# KiCad board LightBlue.kicad_pcb (continued)
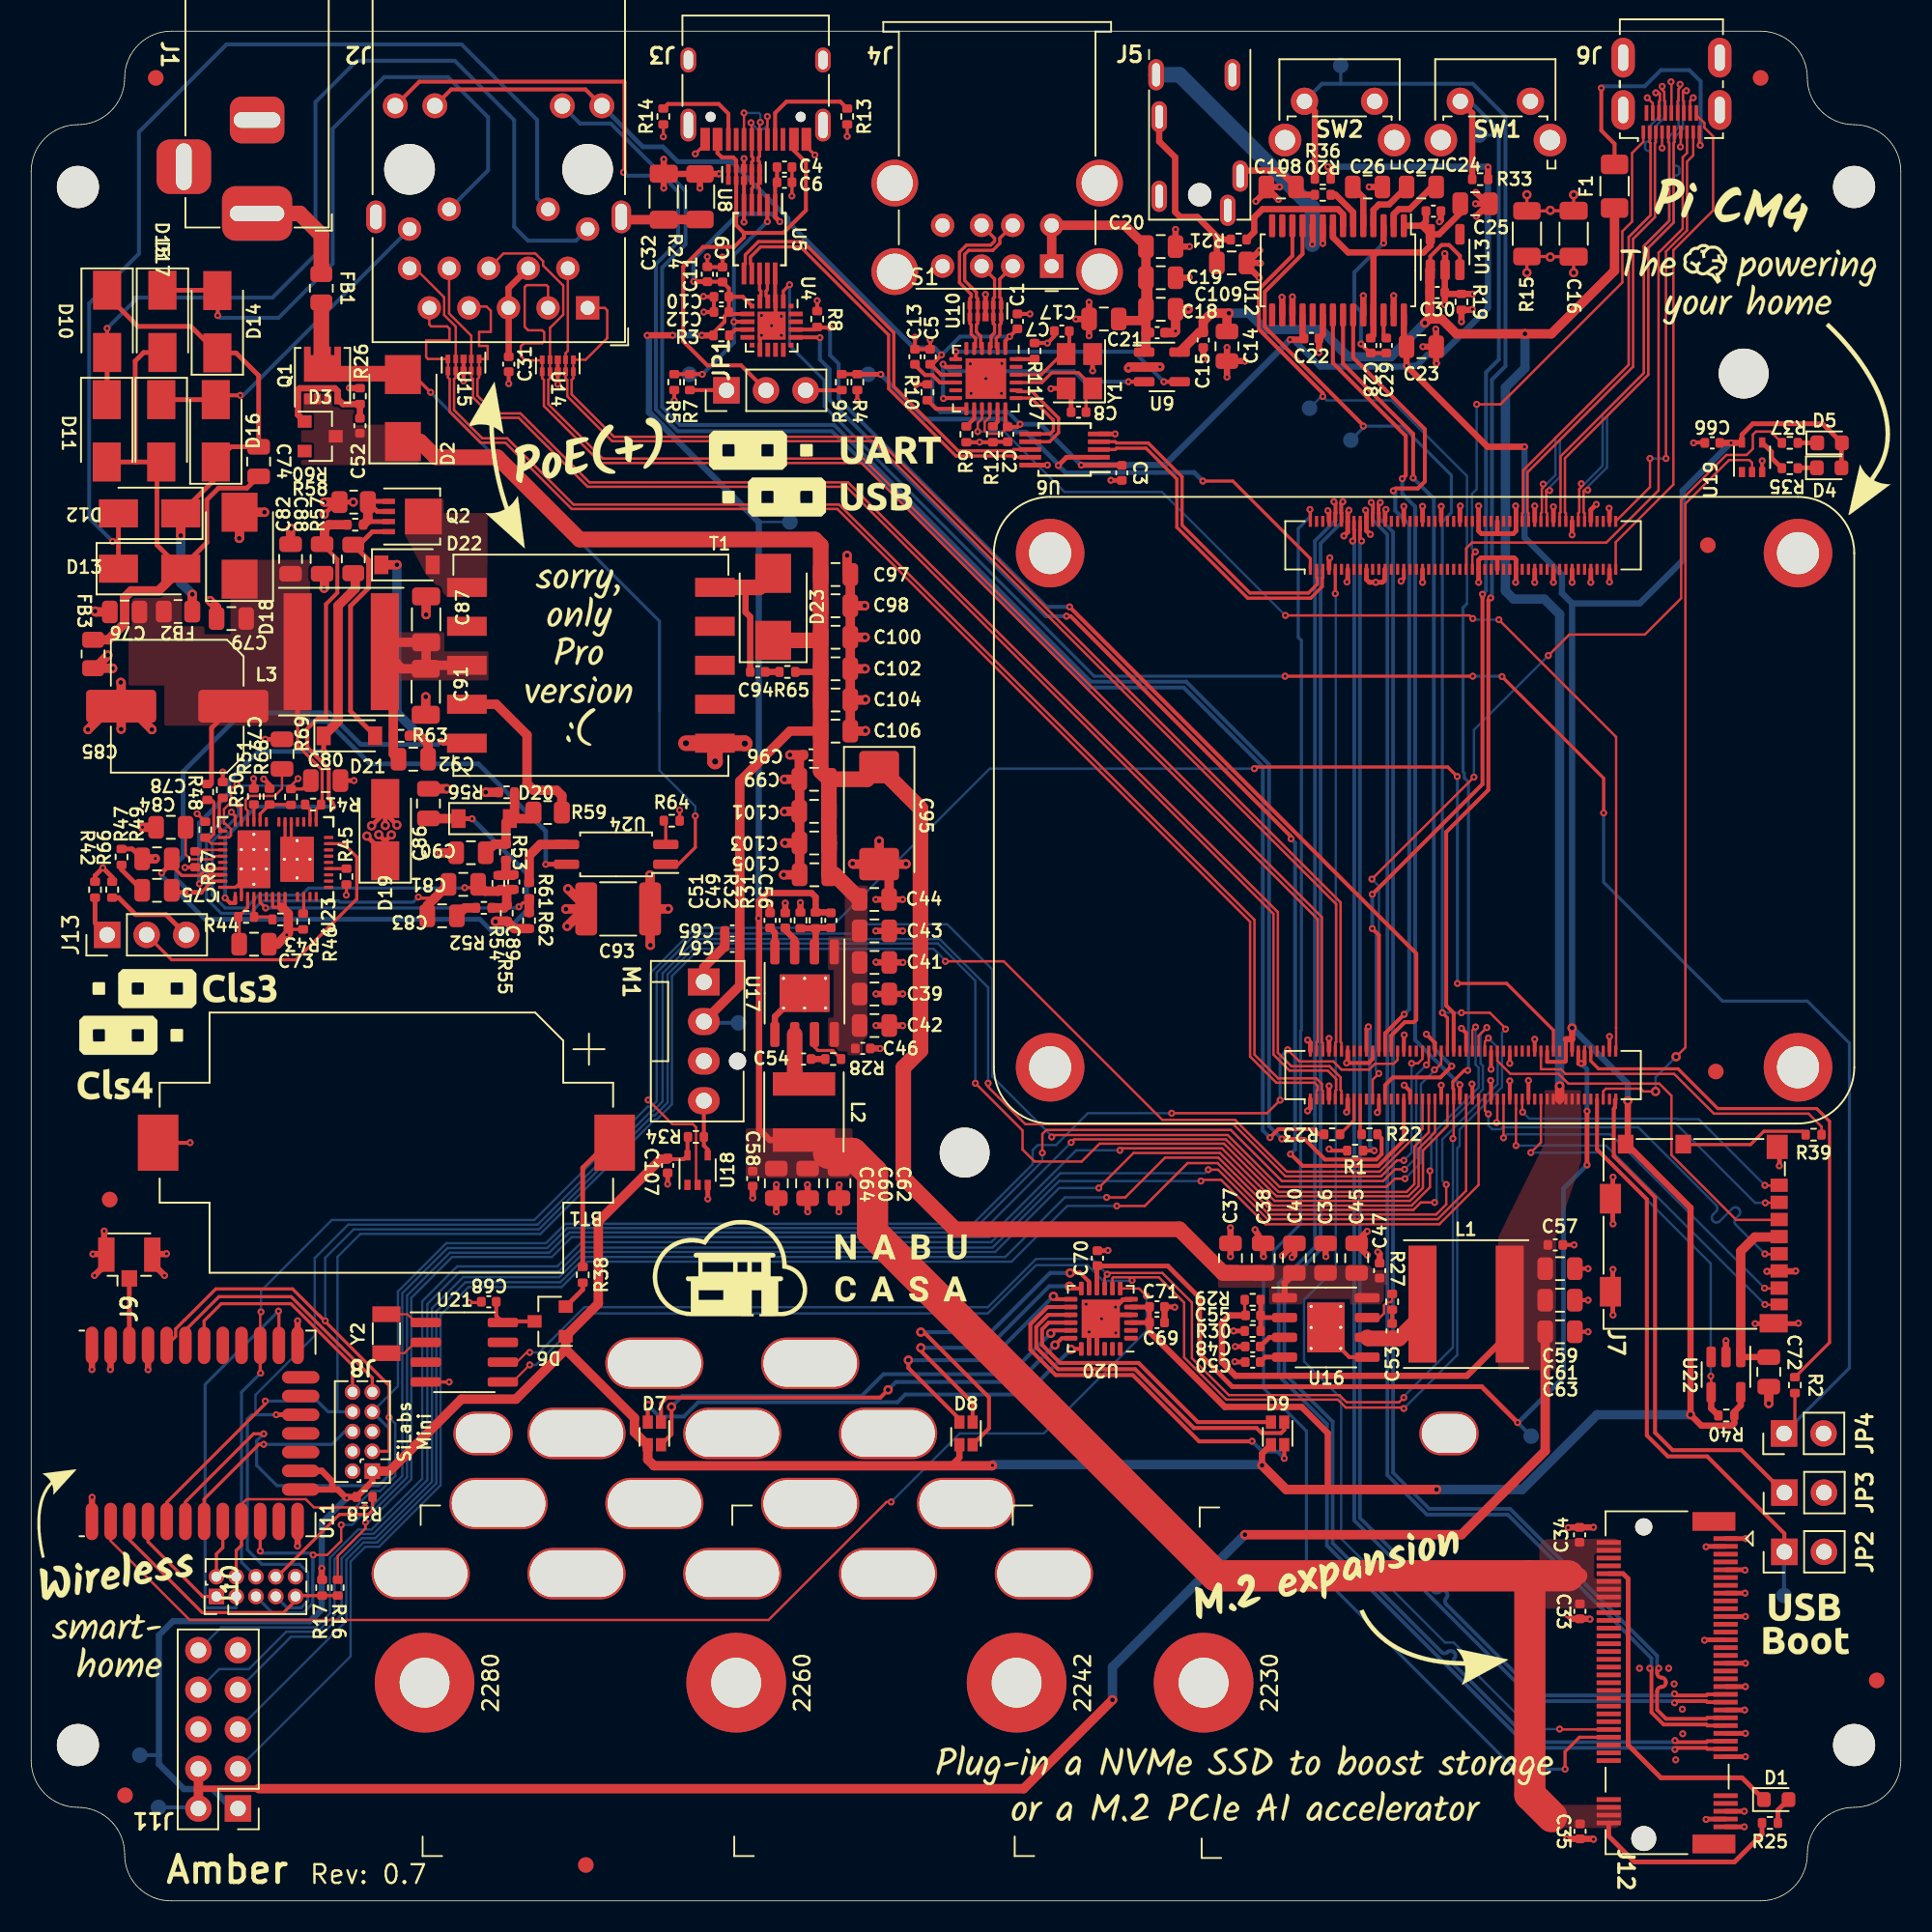
[diagram p0: board, top side]
## Routing (per net, layer and track width the routed paths; a pad name or vN(x,y) marks a point on that pad's centre or on a via; arc(x,y) is an arc through that point) (continued)
+5V: length 233.6
  Top w0.2: C55.1 77.89,37.63 R29.2
  Top w0.25: U13.3 91.7,105.58 91,106.28 90.53,106.28 89.8,105.55 U13.1
  Top w0.4: 10.73,7.13 10.8,7.2 14.77,7.2 ; 95.05,36.6 92.15,33.7 77.3,33.7 76.42,34.58 76.42,37.08 76.92,37.58 C55.1
  Top w0.6: J11.4 J11.2 ; v1(69.4,12.9) 63.7,7.2 14.6,7.2 ; C63.1 97.17,28.88 91.8,23.5 v1(77.9,23.5) ; U9.5 74.97,100.66 75.22,100.66 75.22,101.38 75.75,101.9 v1(76.88,101.9) 76.75,101.78 C14.2 ; 89.7,101.53 90.52,101.53 91.47,100.58 v1(95.88,100.58) 97.58,100.58 101.62,104.62 F1.1 ; U1.81 v1(98.1,52.3) ; v1(89.45,101.28) 89.77,101.59 89.77,104.66 U13.1
  Bottom w0.25: J11.2 10.66,6 TP9.1
  Bottom w0.6: v1(95.88,100.58) 95.88,98.38 94.62,97.12 94.62,84.08 95.15,83.55 97.12,83.55 98.1,82.58 v1(98.1,52.3) ; v1(77.9,23.5) 69.4,15 v1(69.4,12.9) ; v1(76.88,101.9) 78.15,101.9 79.2,100.85 82.77,100.85 84.53,99.1 87.28,99.1 v1(89.45,101.28)
+12V: length 142.5
  Top w0.4: U16.1 80.45,39.67 C40.1 ; R65.2 50.47,78.88 C102.1
  Top w0.6: 43.17,56.44 45.48,58.74 C67.1 C65.1 45.48,71.86 48.7,75.08 C106.1
  Top w1: D2.1 24.97,93.66 25.98,92.65 29.92,92.65 35.2,87.38 50.3,87.38 50.67,87 C97.1 C98.1 C100.1 ; D23.1 50.47,80.9 C100.1 ; C44.1 51.58,65.86 C105.1 51.21,65.86 C103.1 51.2,67.91 C101.1 C99.1 ; C100.1 C102.1 C104.1 C106.1 50.67,72.51 C99.1 ; C99.1 53.65,71.98 C95.1 57.08,70.11 57.08,54.58 55.97,53.47 55.97,46.42 59.3,43.1 73.7,43.1 76.5,40.3 C37.1 C38.1
  Bottom w0.25: 43.17,56.44 43.26,56.35 TP8.1
+48V: length 44.1
  Top w0.2: L3.1 17.1,74.16 18.68,72.58 18.68,70.43 R41.1 18.3,70.05 U23.23
  Top w0.3: v2(33.02,66.53) 33.03,66.53 U24.4 ; v2(17.1,75.7) L3.1 ; 11.58,71.68 11.58,75.28 C85.1
  Bottom w0.3: v2(33.02,66.53) 33.02,68.65 28.7,72.97 21.75,72.97 19.02,75.7 v2(17.1,75.7)
/PoE/VCC: length 41.1
  Top w0.2: U23.42 11.27,66.25 10.84,65.81 9.66,65.81 9.02,66.45 9.02,66.88
  Top w0.3: v2(28.3,69.45) 27.44,69.45 27.42,69.46 ; 9.02,66.88 9.02,66.62 v2(8.38,65.97)
  Top w0.6: C86.1 25.52,69.46 27.42,69.46
  Bottom w0.3: v2(8.38,65.97) 8.38,65.78 11.16,63 28.8,63 29.52,62.27 30.52,62.27 31.8,63.56 31.8,65.95 v2(28.3,69.45)
/USB/VBUS_{IN}: length 32.9
  Top w0.25: JP1.2 45.56,98.55 43.4,98.55 41.85,100.1 41.85,104.88 43.12,106.15 45.12,106.15 45.75,106.78 45.75,107.05 ; 45.75,107.05 45.25,107.55 U8.7 U8.4 45.25,111.71 45.06,111.9 44.33,111.9 44.05,112.17 J3.A9 ; 45.75,107.05 48.28,107.05 49.72,108.5 49.72,111.58 48.95,112.35 J3.A4
/USB/VBUS_{OUT}: length 21.8
  Top w0.4: C19.1 71.77,103.95 71.77,102.7 71.51,102.44 71.51,101.42
  Top w0.6: C18.1 71.55,100.58 ; 71.55,100.58 71.62,100.65 C21.1 ; 71.55,100.58 71.55,99.51 U9.1 ; C17.1 69.9,101.42 71.51,101.42 71.55,101.46 C19.1 C20.1 70.19,107.54 J4.5 J4.1
GND: length 303.1
  Top w0.15: J6.4 104.07,115.38 v2(103.72,115.72) ; v2(106.68,115.72) 106.47,115.53 J6.16 ; J6.13 105.88,112.6 v2(105.85,112.58) ; J6.7 v2(104.68,112.5) ; J6.10 105.28,116.72 v2(105.25,116.75) ; 110.9,32.66 110.93,32.64
  Top w0.2: v2(26.83,33.3) 25.78,33.3 25.78,33.31 24.8,33.31 ; v2(41.61,70) 41.62,70 R64.2 ; v1(99,104.5) C16.2 ; C16.2 97.53,105.53 v1(97.5,105.5) 97.46,105.54 R15.1 v1(96,104.5) ; C16.2 98.97,105.5 ; J3.A1 49.75,112.6 v2(50.3,112.05) ; R14.1 v2(40.58,113.22) ; v2(48.83,109.42) 48.83,109.43 C6.2 C4.2 ; v2(42.62,112.12) 43.25,112.75 J3.A12 ; v2(28.1,38.4) 28.84,38.4 C68.2 ; R13.1 v2(52.38,113.25)
  Top w0.25: v2(91.8,56) 92.1,55.7 U1.52 ; C59.2 v2(99.93,40.58) ; v2(56.8,97.33) 56.81,97.34 R10.1 ; v2(64.1,101.85) 64.09,101.85 C1.2 ; v2(56.72,100.35) C13.2 C5.2 v2(57.7,100.2) ; U1.71 v2(96.1,52.65) ; C63.2 v2(99.93,36.53) ; C2.2 61.75,93.65 R12.1 60.89,93.62 v2(60.88,93.62) 60.86,93.62 R9.1 ; C61.2 v2(99.93,38.55) ; v2(87.92,84.7) 88.1,84.88 U1.131 ; v2(93.67,52.65) 93.7,52.62 U1.59 ; 7.69,48.65 10.19,48.65 v2(10.2,48.67) ; R11.1 65.22,99.98 v2(65.22,99.97) 65.67,100.42 C7.2 ; v2(27.75,97.55) U15.8 U15.3 ; R8.1 v2(50.45,102.7) ; v2(45.75,107.75) U5.5 U8.8 U8.3 v2(45.75,111.83) ; U1.32 88.1,55.55 v2(88.12,55.58) ; v2(83.3,48.25) 83.4,48.15 R1.1 ; v2(86.4,50.6) 86.5,50.7 U1.23 ; 107.34,93.6 106.72,93.6 ; U1.22 86.1,54.04 85.84,53.78 v2(84.42,53.78) ; U1.66 v2(94.9,53.75) ; v2(33.8,97.35) U14.8 U14.3 ; U1.98 v2(101.3,55.47) ; R4.2 v2(53.03,96.25) ; v2(92.47,52.42) 92.5,52.4 U1.53 ; U1.33 88.5,51.97 v2(88.12,52.35) ; v2(89.55,55.62) 90.1,55.07 U1.42 ; U1.65 v2(94.9,52.62) ; U1.43 v2(90.5,52.35) ; v2(43.17,101.97) C12.2 C10.2 43.17,102.95 v2(43.15,102.97) ; U5.10 47.75,102.67 U4.3 47.78,101.35 v2(47.53,101.1) ; v2(46.88,100.47) 46.78,100.38 U4.12 ; C31.1 v2(30.65,97.38) ; U19.3 v2(111.1,92.42) ; U1.60 v2(93.7,53.38) ; v2(44.38,105.5) C9.2 43.42,104.86 C11.2 v2(43.4,105.53) ; R5.2 v2(41.28,96.3) ; C57.2 v2(99.03,42.1) ; U1.74 v2(96.5,55.3)
  Top w0.3: U1.191 v2(100.1,84.62) ; v2(110,21.22) 109.97,21.25 J12.9 ; v2(61.25,103.1) U10.8 U10.3 ; U1.107 83.3,86.15 v2(83.35,86.2) ; v2(84.42,50.62) 84.5,50.7 U1.13 ; U1.192 100.1,89.28 v2(100.45,89.62) ; v2(107.5,5.22) 107.53,5.25 J12.73 ; v2(101.53,43.45) 101.51,43.46 101.51,46.44 v2(101.53,46.45) ; v2(68.12,98.2) Y1.2 67.86,99.55 ; U1.138 v2(89.3,89.5) ; U1.108 83.3,89.15 v2(83.22,89.22) ; v2(101.28,89.38) 101.3,89.35 U1.198 ; C107.2 v2(40.85,46) ; v2(86.95,89.3) 86.9,89.25 U1.126 ; v2(69.3,91.17) 69.31,91.17 C3.2 ; U20.21 68.4,37.11 ; C8.2 66.75,96.75 66.42,97.08 65.47,97.08 v2(65.45,97.05) ; J12.39 v2(110.03,13.75) ; C50.2 77.28,34.58 ; U1.144 v2(90.5,89.5) ; 94.08,86.2 94.1,86.17 U1.161 ; 94.08,86.2 93.05,86.2 92.9,86.05 U1.155 v2(92.9,84.62) ; 94.08,86.2 95.17,86.2 95.3,86.08 U1.167 95.3,84.65 v2(95.28,84.62) ; C70.2 69.09,41.73 v2(69.11,41.75) ; J12.51 v2(110.03,10.75) ; v2(84.25,87.6) 84.5,87.85 U1.114 84.5,89.17 v2(84.58,89.25) ; v2(101.53,37.6) 101.51,37.61 101.51,40.51 v2(101.53,40.53) ; 94.15,87.75 93.08,87.75 92.9,87.92 U1.156 v2(92.9,89.53) ; 94.15,87.75 95.12,87.75 95.3,87.92 U1.168 95.3,89.5 v2(95.28,89.53) ; 94.15,87.75 94.1,87.8 U1.162 ; U20.25 v2(68.7,37.36) 68.85,37.36 v2(69.6,38.11) 70.07,38.59 70.56,38.59 U20.6 ; U20.25 67.9,36.61 v2(67.9,36.51) U20.20 ; U20.25 68.9,37.61 U20.4 ; v2(113.43,37.08) 113.4,37.05 110.66,37.05 v2(110.65,37.05) ; v2(91.72,89.53) 91.7,89.5 U1.150 ; C48.2 v2(77.28,35.58) ; v2(85.65,89.25) 85.7,89.2 U1.120 85.7,87.95 v2(85.95,87.7) ; U1.7 83.3,52.3 v2(83.3,52.3) ; U1.180 v2(97.7,89.47) ; R30.1 v2(77.17,36.58) ; U1.113 84.5,84.7 v2(84.45,84.65) ; v2(83.3,55.35) 83.3,55.35 U1.8 ; J12.75 v2(109.95,4.75) ; C71.2 73.39,38.12 ; v2(84.42,53.78) 84.5,53.85 U1.14 ; U1.125 86.89,85.46 86.88,85.45 86.88,84.78 86.72,84.62 v2(86.3,84.62) 85.89,84.62 85.7,84.81 U1.119 ; U1.174 v2(96.5,89.53) ; J12.57 v2(110.03,9.25) ; U1.1 82.1,50.88 v2(81.92,50.7) ; J12.3 107.53,22.75 v2(107.5,22.72) ; U1.179 v2(97.7,84.62) ; U1.2 82.1,55.08 v2(81.92,55.25) ; J12.15 v2(110,19.75) ; J12.27 107.43,16.75 v2(107.4,16.72) ; U1.137 v2(89.3,84.62) ; J12.33 v2(110.03,15.25) ; U1.185 v2(98.9,84.62) ; U1.173 v2(96.5,84.62) ; J12.1 v2(110.05,23.25) ; U1.197 v2(101.3,84.65) ; v2(112.2,47.17) 112.21,47.19 112.21,48.36 ; J12.21 v2(110.03,18.25) ; U1.186 v2(98.9,87.67) ; J12.45 v2(109.97,12.25) ; U6.10 v2(65.22,92.15) ; U1.132 v2(88.1,89.5) ; 43.42,45.95 v2(43.42,45.05) ; U6.5 v2(69.58,94.15) ; J12.71 v2(109.95,5.75)
  Top w0.4: C23.2 90.17,98.7 v2(90.2,98.67) ; C23.2 v2(89.33,99.75) ; C23.2 90.17,100.85 v2(90.15,100.88) ; 85.08,42.13 v2(85.75,41.45) ; C32.2 v2(40.6,111.78) ; C32.2 v2(40.6,109.92) ; C32.2 40.61,110.84 R24.1 ; v2(47.42,64.05) 47.42,64.05 C51.2 ; C40.2 81.08,41.45 v2(80.92,41.3) ; C15.1 v2(75.22,98.95) ; v2(55.94,62.25) 55.94,62.25 C43.2 54.22,62.25 v2(54.21,62.25) ; v2(80.28,102.92) 80.3,102.9 U12.16 ; R24.1 44.14,110.84 v2(44.15,110.85) ; R24.1 v2(42.92,109.92) ; v2(82.65,99.38) 82.66,99.38 C22.2 82.9,100.52 U12.20 ; v2(54.22,56.18) C42.2 55.93,56.18 v2(55.94,56.17) ; v2(85.75,42.97) 85.08,42.3 85.08,42.05 ; v2(54.22,58.21) 54.22,58.2 C39.2 55.94,58.2 v2(55.94,58.21) ; v2(55.95,60.23) C41.2 54.24,60.23 v2(54.22,60.25) ; v2(8.69,41.54) 8.66,41.51 7.79,41.51 7.79,40.91 v2(8.56,40.14) ; C17.2 v2(67.9,102.6) ; C17.2 v2(67.05,101.53) ; C17.2 v2(67.9,100.45) ; v2(76.97,43.2) C37.2 v2(76.97,41.35) ; v2(47.82,44.23) 47.83,44.23 C64.2 47.83,45.97 v2(47.83,45.97) ; v2(111.4,40.4) 111.41,40.41 113.23,40.41 v2(113.25,40.42) ; U17.9 47.73,56.75 U17.5 ; U11.1 3.9,25.89 v2(3.91,25.9) ; U11.12 17.1,22.78 v2(17.09,22.77) ; U11.20 v2(17.1,37.23) ; v2(74.33,104.2) 74.3,104.17 C19.2 ; v2(98.65,23.95) 98.67,23.97 C34.2 100.27,23.97 v2(100.28,23.97) ; v2(4.06,40.14) 4.84,40.91 4.84,41.51 v2(3.96,41.51) ; U11.28 v2(7.5,34.09) ; v2(73.45,107.28) C20.2 v2(74.35,106.17) ; U12.24 v2(85.5,103.03) ; R26.2 20.44,97.09 v2(20.42,97.1) ; R32.1 49.38,64.06 v2(49.37,64.07) ; v2(83.1,41.35) 83.08,41.38 C36.2 ; C69.2 C71.2 ; C47.2 86.55,41.53 v2(86.43,41.65) ; v2(79.1,41.35) 79.08,41.38 C38.2 v2(78.55,43.08) ; C49.2 v2(48.4,64.04) ; v2(49.84,44.23) 49.83,44.23 C60.2 49.83,45.95 v2(49.82,45.97) ; U12.27 v2(87.45,103.03) ; 4.69,41.51 v2(4.69,42.99) ; v2(98.6,18.38) 98.88,18.1 C33.2 100.03,18.1 v2(100.05,18.07) ; v2(100.28,3.95) 100.25,3.98 C35.2 98.56,3.98 v2(98.55,3.97) ; U22.2 v2(108.78,35.95) ; v2(91.8,101.35) R19.2 92.47,102.12 v2(92.5,102.15) ; U11.31 v2(3.9,34.1) ; v2(54.21,64.27) C44.2 v2(55.94,64.27) ; C46.2 54.48,54.71 v2(54.49,54.7) ; U12.17 v2(80.95,102.95) ; 81.08,42.17 v2(80.3,41.4) ; v2(51.84,44.23) 51.84,44.23 C62.2 51.84,45.94 v2(51.86,45.96) ; v2(5.08,34.1) 5.1,34.12 U11.30 ; C14.1 v2(77.9,98.83) ; C14.1 v2(76.75,97.8) ; C14.1 v2(76.75,99.7) ; C58.2 v2(46.31,45.11)
  Top w0.6: C100.2 v1(53.53,81.1) ; C95.2 v1(54.42,68.03) ; C95.2 55.06,65.9 C44.2 ; C95.2 52.76,66.54 v1(52.72,66.58) ; C95.2 56.14,66.54 v1(56.15,66.55) ; C99.2 49.32,71.97 C105.2 48.31,65.86 v1(48.3,65.85) ; C99.2 48.36,71.98 v1(48.35,71.97) ; C99.2 49.3,73.28 C96.2 v1(48.7,73.55) ; v1(48.35,69.9) 48.38,69.92 C101.2 ; C21.2 73.35,100.65 v2(73.45,100.75) C18.2 v2(74.28,102.15) ; C93.2 40.88,63.67 v1(40.89,63.67) ; C93.2 39.72,61.36 v1(39.75,61.33) ; C93.2 39.72,65.83 v1(39.72,65.83) ; v1(48.38,67.9) 48.38,67.89 C103.2 ; C72.2 v1(111.53,31.92) ; v2(70.42,98.37) 70.5,98.45 U9.2 v2(72.45,98.45) ; C98.2 53.5,83.12 v1(53.5,83.12) ; M1.1 43.17,59.92 C67.2 C65.2 ; C97.2 C106.2 53.53,75.08 v1(53.55,75.1) ; C104.2 53.53,77.08 v1(53.55,77.1) ; 52.37,85.16 v1(52.37,86.35) ; C102.2 v1(53.53,79.08)
  Top w1: T1.10 43.89,73.14 v3(43.9,73.12) ; T1.10 v3(42.03,74.3) ; T1.10 45.78,74.3 v3(45.8,74.28)
  vias: v2(46.88,101.75) v2(48.15,101.7) v2(48.15,100.47) v2(60.28,98.65) v2(60.33,96.75) v2(61.28,97.7) v2(62.3,98.67) v2(62.28,96.75) v2(67.71,38.3) v2(69.61,36.45) v2(73.4,38.1) v2(77.25,34.61) v2(103.22,14.93) v2(105.1,14.93) v2(105.45,13.93) v2(105.55,9.05) v2(105.97,12.3) v2(106,10.72) v2(106.7,93.58)
GND1: length 51.8
  Top w0.2: U23.45 13.12,65.05 U23.46 ; 16.35,63.78 15.85,63.78 ; R49.2 11.16,69.26 v2(10.65,69.78) ; 15.85,63.78 15.9,63.82 U23.8 ; 15.85,63.78 15.55,63.78 15.49,63.83 U23.7 ; U23.2 13.49,66.05 U23.46 14.3,66.3 ; R46.1 16.75,62.35 v2(16.4,62) ; U23.9 16.3,63.83
  Top w0.25: R67.2 9.89,66.34 v2(9.87,66.32) ; R50.2 v2(12.3,72.45)
  Top w0.3: v1(18.81,88.99) 19.59,89.78 R60.2 v1(20.67,89.78) ; C80.2 v2(20.73,71.9) ; 22.73,68.01 v1(22.31,68.43) ; C84.2 6.49,67.51 R47.2 ; C77.1 v2(15.02,74.55) ; v1(23.12,68.42) 22.73,68.02 D19.1 ; v2(14.27,72.03) 14.3,72 R51.2 ; R68.2 15.3,71.62 v2(14.92,72) ; 22.73,67.16 v1(21.55,68.34)
  Top w0.6: v1(16.67,88.08) 16.65,88.05 C82.2 ; C84.2 7.95,66.88 v2(7.98,66.9) ; R60.2 v1(18.83,89.78) ; v1(26.3,67.28) 26.3,67.27 C90.2 ; 16.08,63.78 16.51,63.34 R43.1 16.51,62.11 v2(16.4,62) 15.8,61.4 C73.2 ; v1(3.65,75.17) 5.15,76.67 C85.2 ; v1(29.8,62.85) 29.83,62.88 R55.2 31.01,62.4 R62.2 ; R56.2 v1(29.17,71.15) ; 18.83,85.17 18.83,84.28 v1(18.8,84.25) ; C85.2 v1(5.77,75.2) ; C85.2 6.25,76.67 v1(7.75,75.17) ; C85.2 5.77,78.17 v1(5.75,78.2) ; C78.2 v2(7.15,68.9) ; v1(34.45,64.95) 35.62,63.78 C93.1 34.34,63.67 v1(34.33,63.65) ; 35.52,63.67 v1(34.4,62.55) ; C87.2 v1(25.35,82.55) ; C91.2 v1(25.33,77.28) ; C86.2 v1(26.67,71.38)
GNDA: length 45.5
  Top w0.25: v2(85.35,99.92) 85.93,99.34 86.97,99.34
  Top w0.4: v2(80.12,110) 79.28,110 79.28,109.75 v2(78.6,109.08) ; 79.28,109.97 v2(80.05,109.2) ; v2(90.72,102.45) 90.73,102.45 C30.2 ; C30.2 90.73,104.67 U13.2 90.75,105.7 v2(90.72,105.72) ; C30.2 90.82,103.13 R19.1 92.52,103.13 v2(92.53,103.12) ; 86.72,110 v2(85.88,110) ; 78.05,105.12 v2(78.85,105.92) ; U12.3 v2(86.8,106.4) ; v2(78.9,105.1) 78.88,105.12 C109.2 78,105 v2(78.83,104.17) ; U12.10 82.25,106.35 v2(82.22,106.33) ; 93.55,108.92 v2(92.75,108.12) ; 93.45,108.92 v2(92.72,109.65) ; v2(92.7,108.92) C25.2 ; v2(90.38,107.77) 90.48,107.87 C24.2 ; U12.9 v2(82.9,106.38)
  Bottom w0.25: v2(85.35,99.92) 85.35,102 84.92,102.42 84.92,104.53 v2(86.8,106.4)
  Bottom w0.4: v2(80.12,110) 80.46,110.34 80.56,110.34
  Bottom w1: J5.S 73.7,117.2 82.22,108.67 v2(82.22,106.33)
VSS: length 19.7
  Top w0.2: R45.1 20.23,64.56 v2(20.23,64.55) ; U23.28 16.3,67.62 U23.47 ; U23.27 16.7,67.22
  Top w0.3: D19.2 v1(22.73,69.03) ; R66.1 5.2,65.7 v2(4.6,66.3) 4.1,65.8 R42.1 ; 22.73,69.88 v1(21.85,69) ; 22.73,69.8 v1(23.48,69.05)
  Top w0.6: 4.09,79.11 v1(4.92,79.95) ; FB3.2 5.21,79.11 v1(5.23,79.1) ; C79.2 11.9,83.03 v1(11.48,83.45) ; v1(14.98,89.12) D18.2 13.38,87.47 v1(13.35,87.45) ; v1(4.1,82.78) 4.15,82.72 C76.2
/802.15.4 Radio/PA00: length 7.1
  Top w0.2: U11.4 7.5,23.05 11.02,19.53 J10.1
/802.15.4 Radio/PA04: length 3.7
  Top w0.2: J10.2 11.89,22.27 12.3,22.67 U11.8
/802.15.4 Radio/PB00: length 17.1
  Top w0.2: U11.3 6.3,23.17 10.98,18.5 16.2,18.5 16.97,19.27 J10.9 17.02,19.59 R17.1 R16.2
/802.15.4 Radio/PC00: length 25.9
  Top w0.2: U11.21 15.9,37.83 v2(15.88,37.85)
  Bottom w0.2: J10.3 13.16,18.83 13.14,18.81 11.21,18.81 11.16,18.85 11.16,33.14 v2(15.88,37.85)
/802.15.4 Radio/PTI_DATA: length 14.9
  Top w0.2: U11.25 11.1,37.22 12.2,38.33 16.67,38.33 20.62,34.37 J8.10
/802.15.4 Radio/PTI_FRAME: length 16.9
  Top w0.2: J8.9 21.9,33.57 16.69,38.78 12.05,38.78 9.9,36.62 U11.26
/802.15.4 Radio/Radio.CTS: length 127.8
  Top w0.15: v2(14.75,37.8) 14.7,37.75 U11.22 ; v2(65.5,49.03) 65.62,49.15 76.8,49.15 80.12,45.83 87,45.83 87.53,46.35 v2(88.17,46.35) ; U1.44 90.5,53.72 90.15,53.38
  Top w0.2: v2(14.73,33.88) 14.7,33.9 U11.22
  Bottom w0.15: v2(65.5,49.03) 65.5,49.09 61.7,52.89 61.7,59.78 58.8,62.68 53.6,62.68 53,62.08 42.65,62.08 40.15,59.58 40.15,51.32 39.8,50.97 39.57,50.97 32.3,43.7 19.3,43.7 14.75,39.15 v2(14.75,37.8) ; 90.15,53.38 89.2,52.42 89.2,47.38 v2(88.17,46.35)
  Bottom w0.2: v2(14.73,33.88) 13.5,32.65 13.5,21.74 J10.6
  vias: v2(90.06,53.34)
/802.15.4 Radio/Radio.RTS: length 133.8
  Top w0.15: v2(88.6,53.75) 89.01,53.75 89.3,54.04 U1.38 ; v2(61.42,52.48) 61.42,52.24 63.81,49.85 77.15,49.85 80.5,46.5 86.64,46.5 87.67,47.53 v2(88.1,47.53)
  Top w0.3: U11.17 v2(15.73,31.2)
  Bottom w0.15: 14.4,31.2 14.4,32.47 18.2,36.28 18.2,41.25 20.35,43.4 32.5,43.4 39.8,50.7 39.92,50.7 40.53,51.3 40.53,59.53 42.72,61.73 58.31,61.73 61.42,58.62 61.42,52.48 v2(61.42,52.48) ; v2(88.1,47.53) 88.6,48.03 v2(88.6,53.75)
  Bottom w0.2: v2(15.73,31.2) 14.15,31.2 13.88,30.93 13.88,22.53 14.81,21.6 17.23,21.6 17.75,21.07 17.75,19.24 17.32,18.81 16.43,18.81 J10.7
/802.15.4 Radio/Radio.RXD: length 107.6
  Top w0.15: v2(64.9,48.01) 64.9,49.22 65.16,49.47 77,49.47 80.28,46.2 86.78,46.2 87.53,46.95 v2(88.15,46.95) ; U1.40 89.7,53.8 v2(89.55,53.65) ; v2(21.42,25.25) 18.15,25.25 17.62,25.78 13.83,25.78 13.5,25.45 U11.9
  Top w0.2: J10.4 13.16,22.48 13.5,22.83 U11.9
  Bottom w0.15: v2(89.55,53.65) 88.9,53 88.9,47.7 v2(88.15,46.95) ; v2(21.42,25.25) 21.8,25.25 23.83,27.28 23.83,39 26.73,41.9 33.12,41.9 34.41,43.18 60.61,43.18 64.9,47.47 v2(64.9,48.01)
/802.15.4 Radio/Radio.SWCLK: length 117.9
  Top w0.15: U1.37 89.3,49.55 86.55,46.8 80.59,46.8 77.26,50.13 72.6,50.13 62.42,60.3 v2(58.67,60.3)
  Top w0.2: U11.5 8.7,25.58 15.02,31.9 v2(15.02,32.08)
  Bottom w0.15: 58.72,60.3 57.92,61.1 42.88,61.1 41.12,59.35 41.12,51.12 40.15,50.14 40.03,50.14 32.68,42.8 21.12,42.8 19.66,41.33 19.66,31.39
  Bottom w0.2: J8.8 19.06,31.39 18.38,32.08 v2(15.02,32.08)
  Bottom w0.25: 58.72,60.3 v2(58.67,60.3)
/802.15.4 Radio/Radio.SWDIO: length 106.6
  Top w0.15: U1.30 87.7,53.97 87.45,53.72 86.25,53.72 85.87,53.35 84.63,53.35 84.63,53.35 84.1,53.35 83.58,53.88 81.4,53.88 v2(80.65,54.62) ; v2(80.16,51.39) 79.32,50.55 v2(73.2,50.55)
  Top w0.2: v2(14.92,29.97) 14.27,29.97 9.9,25.6 U11.6
  Bottom w0.15: v2(73.2,50.55) 67.82,50.55 65.78,48.51 64.61,48.51 64.27,48.17 64.27,47.27 60.46,43.46 34.29,43.46 33.05,42.21 26.65,42.21 23.54,39.11 23.54,33.03 J8.7
  Bottom w0.2: v2(14.92,29.97) 14.47,29.52 14.47,27.95 15.77,26.65 22.3,26.65 23,27.35 23,30.28 J8.7 ; v2(80.65,54.62) 80.16,54.14 v2(80.16,51.39)
/802.15.4 Radio/Radio.SWO: length 12.7
  Top w0.2: U11.7 11.1,25.78 14.62,29.3 v2(14.92,29.3)
  Bottom w0.2: v2(14.92,29.3) 19.3,29.3 20.12,30.12 J8.6
/802.15.4 Radio/Radio.TXD: length 110.6
  Top w0.15: v2(19.9,24.13) 19.9,23.1 19,22.2 v2(18.1,22.2) ; U1.39 89.7,49.33 88.78,48.4 88.78,46 88.28,45.5 80.05,45.5 76.68,48.87 66.95,48.87 v2(66.75,48.67)
  Top w0.2: U11.10 v2(14.7,22.45)
  Bottom w0.15: v2(19.9,24.13) 20.59,24.13 21.21,24.75 21.69,24.75 24.12,27.18 24.12,38.85 26.88,41.6 33.25,41.6 34.55,42.9 60.98,42.9 66.75,48.67 v2(66.75,48.67) 66.67,48.6 ; 18.08,21.21 18.1,21.23 v2(18.1,22.2)
  Bottom w0.2: J10.5 15.48,18.48 17.45,18.48 18.08,19.1 18.08,22.22 17.98,22.32 14.83,22.32 v2(14.7,22.45)
/802.15.4 Radio/Radio.~{BOOT}: length 97.2
  Top w0.15: R16.1 19.67,22.13 21.46,23.92 v2(21.46,24.3) ; U1.45 90.9,49.73 89.33,48.16 89.33,45.75 88.5,44.92 79.8,44.92 76.42,48.3 70,48.3 v2(69.88,48.17)
  Bottom w0.15: v2(21.46,24.3) 21.65,24.3 24.4,27.05 24.4,38.7 27.02,41.32 33.42,41.32 34.7,42.6 61.5,42.6 67.07,48.17 v2(69.88,48.17)
/802.15.4 Radio/Radio.~{RESET}: length 148.5
  Top w0.15: U1.41 90.1,49.32 89.05,48.28 89.05,45.89 88.39,45.22 79.93,45.22 76.55,48.6 68.57,48.6 67.42,47.45 64.4,47.45 63.63,48.22 63.63,49.44 v2(60.6,52.47) ; v2(18.88,37.22) 18.52,37.58 18.48,37.58 ; v2(22.98,31.03) 22.98,32.33
  Top w0.2: U11.27 9.27,36.22 9.27,36.71 9.84,37.28 9.85,37.28 11.85,39.28 16.77,39.28 22.98,33.08 22.98,28.85 J8.3 ; R18.1 21.91,25.11 21.9,25.1 21.9,25.06 21.64,24.8 19.79,24.8 15.79,20.81 J10.8
  Bottom w0.15: v2(22.98,31.03) 23.38,30.62 23.38,27.28 22.4,26.3 21.84,26.3 20.48,24.93 v2(20.48,24.8) ; v2(18.88,37.22) 18.88,41.28 20.7,43.1 32.59,43.1 39.91,50.42 40.03,50.42 40.85,51.24 40.85,59.46 42.83,61.45 58.2,61.45 60.6,59.05 v2(60.6,52.47)
/802.15.4 Radio/RF_SIGNAL: length 4.3
  Top w0.3: U11.29 J9.1
/802.15.4 Radio/~{LED_RADIO}: length 81.6
  Top w0.15: U11.2 5.1,23.1 10.17,18.03 47.33,18.03 54.9,25.6 v2(55.2,25.6) ; U20.7 71.11,39.3 v2(71.58,38.82)
  Bottom w0.15: v2(71.58,38.82) 71.58,36.58 65,30 59.6,30 v2(55.2,25.6)
/Audio/I2S.CLK: length 53.9
  Top w0.25: v2(91.7,52.38) U1.49 ; v2(88,91.28) 88.22,91.5 88.22,94.03 83.55,98.7 U12.21
  Bottom w0.25: v2(91.7,52.38) 88.82,55.25 88.82,89.48 88,90.31 v2(88,91.28)
/Audio/I2S.DIN: length 56.8
  Top w0.25: U1.25 86.9,52.35 87.4,52.85 90.45,52.85 v2(91.17,53.57) ; U12.22 84.2,98.65 88.7,94.15 v2(88.7,91.33)
  Bottom w0.25: v2(88.7,91.33) 90.02,90 90.02,54.73 v2(91.17,53.57)
/Audio/I2S.FS: length 51.9
  Top w0.25: v2(87.42,90.5) 87.58,90.65 89,90.65 89.45,91.1 89.45,94.45 84.85,99.05 U12.23 ; U1.26 86.9,55.67 v2(88.12,56.9)
  Bottom w0.25: v2(87.42,90.5) 87.55,90.38 87.55,89.22 88.45,88.33 88.45,57.22 v2(88.12,56.9)
/CM4/CM4_DBG.RX: length 66.2
  Top w0.25: U1.28 87.3,55.54 88.15,56.4 88.75,56.4 88.9,56.55 88.9,60.8 v2(66.65,83.05) ; U4.18 50.28,100.85 R8.2 50.49,100.97 v2(51.28,100.97)
  Bottom w0.25: v2(66.65,83.05) 65.17,83.05 51.83,96.4 51.83,98.65 51.28,99.2 v2(51.28,100.97)
/CM4/CM4_DBG.TX: length 78.6
  Top w0.25: U1.31 88.1,48.81 86.46,47.17 81.6,47.17 80.9,47.88 80.88,47.88 v2(80.83,47.92) ; v2(66.45,82.45) 66.72,82.45 80.86,68.3 v2(80.86,68.16) ; v2(50.62,100.33) 50.6,100.35 U4.17
  Bottom w0.25: v2(80.86,68.16) 81.12,67.9 81.12,48.22 v2(80.83,47.92) ; v2(50.62,100.33) 50.62,98.92 51.25,98.3 51.25,96.33 65.12,82.45 v2(66.45,82.45)
/CM4/CM4_USB_D+: length 21.6
  Top w0.206: U6.3 69.58,93.15 69.66,93.23 71.56,93.23 73.53,91.26 73.53,88.16 78.08,83.61 82.12,83.61 82.87,84.36 82.87,84.9 82.9,84.93 U1.105
/CM4/CM4_USB_D-: length 21.1
  Top w0.206: U6.4 69.58,93.65 69.66,93.57 71.69,93.57 73.87,91.39 73.87,88.29 78.22,83.94 81.98,83.94 82.53,84.49 82.53,84.9 82.5,84.93 U1.103
/CM4/CM4_USB_OTG_ID: length 39.3
  Top w0.2: U1.101 82.1,86.15 77.12,91.12 v2(75.2,91.12)
  Top w0.25: R6.2 R4.1
  Top w0.3: v2(65.92,92.12) 66.45,92.65 68.52,92.65 U6.2 ; v2(54.53,97.97) 53.03,97.97 R4.1
  Bottom w0.2: v2(54.53,97.97) TP3.1
  Bottom w0.3: v2(75.2,91.12) 74.65,91.68 69.06,91.68 69.03,91.65 66.4,91.65 v2(65.92,92.12) 65.92,92.19 63.84,94.27 63.23,94.27 62.41,95.1 57.4,95.1 v2(54.53,97.97)
/CM4/ETH.LED_GREEN: length 2.3
  Top w0.2: R22.1 85.3,49.29 U1.17
/CM4/ETH.LED_YELLOW: length 2.6
  Top w0.2: U1.15 84.89,51.45 84.89,50.08 R23.1
/CM4/ETH.TD1+: length 80.7
  Top w0.15: 35.72,102.09 J2.1 36.81,102.24 36.97,102.08 36.97,100.3 35.58,98.91 U14.1 U14.10
  Top w0.154: U1.12 84.1,55.07 84.04,55.12 84.04,64.08 54.16,93.97 37.41,93.97 34.69,96.68 34.69,97.62 34.8,97.73 U14.10
/CM4/ETH.TD1-: length 80.6
  Top w0.15: 34.44,104.78 34.44,99.48 34.3,99.34 U14.2 U14.9
  Top w0.154: U14.9 34.3,97.73 34.41,97.62 34.41,96.57 37.29,93.68 54.04,93.68 83.76,63.97 83.76,55.12 83.7,55.07 U1.10
/CM4/ETH.TD2+: length 86.6
  Top w0.15: 32.8,101.87 J2.3 33.17,103.6 33.08,103.7 31.8,103.7 31.67,103.58 31.67,101.03 31.9,100.8 32.8,100.8 32.92,100.67 32.92,100.1 32.8,99.97 31.62,99.97 31.42,99.78 31.42,99.15 31.7,98.88 32.77,98.88 U14.5 U14.6
  Top w0.154: U1.4 82.5,55.07 82.56,55.12 82.56,63.02 53.29,92.28 36.57,92.28 32.91,95.94 32.91,97.62 32.8,97.73 U14.6
/CM4/ETH.TD2-: length 86.1
  Top w0.15: U14.7 U14.4 33.3,100.96 34.15,101.81 34.15,103.67 32.86,104.96 32.86,105.24 32.36,105.73 30.32,105.73 J2.6
  Top w0.154: U1.6 82.9,55.07 82.84,55.12 82.84,63.13 53.41,92.57 36.68,92.57 33.19,96.06 33.19,97.62 33.3,97.73 U14.7
/CM4/ETH.TD3+: length 89.1
  Top w0.15: J2.7 28.18,102.33 29.23,102.33 29.5,102.05 29.5,100.7 28.75,100.7 28.75,99.8 29.3,99.8 29.3,98.97 29.28,98.96 U15.1 U15.10
  Top w0.154: U1.11 84.1,51.99 84.04,52.04 84.04,52.86 83.33,53.57 80.88,53.57 80.02,54.43 80.02,63.46 52.43,91.04 35.83,91.04 31.41,95.47 29.78,95.47 28.64,96.61 28.64,97.67 28.75,97.78 U15.10
/CM4/ETH.TD3-: length 89
  Top w0.15: J2.8 26.83,101.88 28.25,100.45 U15.2 U15.9
  Top w0.154: U15.9 28.25,97.78 28.36,97.67 28.36,96.49 29.67,95.18 31.29,95.18 35.72,90.76 52.32,90.76 79.73,63.34 79.73,54.32 80.77,53.28 83.22,53.28 83.76,52.74 83.76,52.04 83.7,51.99 U1.9
/CM4/ETH.TD4+: length 90.2
  Top w0.15: U15.6 U15.5 25.47,98.96 25.35,99.08 25.35,100.15 26.83,100.15 26.85,100.17 26.85,100.9 26.7,101.05 25.67,101.05 25.55,101.17 J2.9
  Top w0.154: U1.3 82.5,51.99 82.56,52.04 82.56,52.32 82.37,52.51 79.92,52.51 78.23,54.19 78.23,62.84 51.74,89.33 34.69,89.33 30.44,93.58 28.84,93.58 26.86,95.57 26.86,97.67 26.75,97.78 U15.6
/CM4/ETH.TD4-: length 90.3
  Top w0.15: U15.7 U15.4 27.25,101.04 26.51,101.78 26.51,102.92 24.65,104.78 24.28,104.78
  Top w0.154: U1.5 82.9,51.99 82.84,52.04 82.84,52.43 82.48,52.79 80.03,52.79 78.52,54.31 78.52,62.96 51.86,89.62 34.81,89.62 30.56,93.87 28.96,93.87 27.14,95.68 27.14,97.67 27.25,97.78 U15.7
/CM4/GLOBAL_EN: length 32.5
  Top w0.25: U1.99 101.65,51.41 101.65,50.91 101.57,50.83 101.57,47.8 104.22,45.15 104.22,30.05 105.35,28.92 109.78,28.92 112.5,26.2 JP3.1
/CM4/GPIO2: length 118.7
  Top w0.15: v2(93.53,55.38) 93.3,55.15 U1.58 ; v2(69.67,44.6) 71.48,44.6 74.23,47.35 76.15,47.35 79.45,44.05 90.17,44.05 90.82,44.7 v2(90.82,45.97)
  Bottom w0.15: v2(90.82,45.97) 90.57,46.23 90.57,48.87 94.13,52.43 94.13,53.58 94.12,53.58 94.12,54.78 v2(93.53,55.38) ; J11.3 20.5,15.69 20.5,21.78 21.45,22.72 22.33,22.72 26.28,26.68 26.28,37.6 28.07,39.39 34.04,39.39 35.67,41.03 62.92,41.03 66.5,44.6 v2(69.67,44.6)
/CM4/GPIO3: length 116.8
  Top w0.15: v2(90.08,44.83) 89.19,44.83 88.71,44.35 79.55,44.35 76.2,47.7 72.78,47.7 70.23,45.15 v2(69.03,45.15) ; v2(93.42,56.05) 92.9,55.53 U1.56
  Bottom w0.15: v2(90.08,44.83) 90.21,44.96 90.21,49.11 93.18,52.08 93.18,53.59 93.03,53.74 93.03,55.65 v2(93.42,56.05) ; 13.27,11 20.23,17.96 20.23,21.89 21.33,23 22.21,23 26,26.79 26,37.83 27.87,39.7 33.96,39.7 35.58,41.33 62.53,41.33 66.35,45.15 v2(69.03,45.15)
/CM4/GPIO4: length 114.6
  Top w0.15: v2(92.7,56.08) 92.5,55.88 U1.54 ; v2(68.53,45.75) 68.53,45.77 70.75,48 76.3,48 79.67,44.62 88.6,44.62 89.78,45.8 v2(89.78,46.85)
  Bottom w0.15: 13.27,13.54 16.68,16.95 18.5,16.95 19.92,18.38 19.92,21.98 21.22,23.28 22.1,23.28 25.73,26.91 25.73,38.03 27.72,40.03 33.9,40.03 35.51,41.65 61.87,41.65 65.97,45.75 v2(68.53,45.75) ; v2(89.78,46.85) 89.86,46.94 89.86,49.16 92.9,52.2 92.9,53.47 92.7,53.67 v2(92.7,56.08)
/CM4/GPIO14: length 112.2
  Top w0.15: U1.55 92.9,45.95 90.38,43.42 79.22,43.42 76.38,46.28 75.15,46.28 v2(75.08,46.2)